# Altium PCB Booster_Main_Board.PcbDoc (part 10 of 11)
Units mil, origin at the board's own origin, x right, y up, seen from the top; angles counter-clockwise.
Board outline 15748.38 x 4626.33 mil, 4 copper layers (Component Side, Signal Layer 1, Power Plane, Solder Side), stack 63.149 mil thick; 999 components, 572 nets, 2902 pads, 1949 vias.
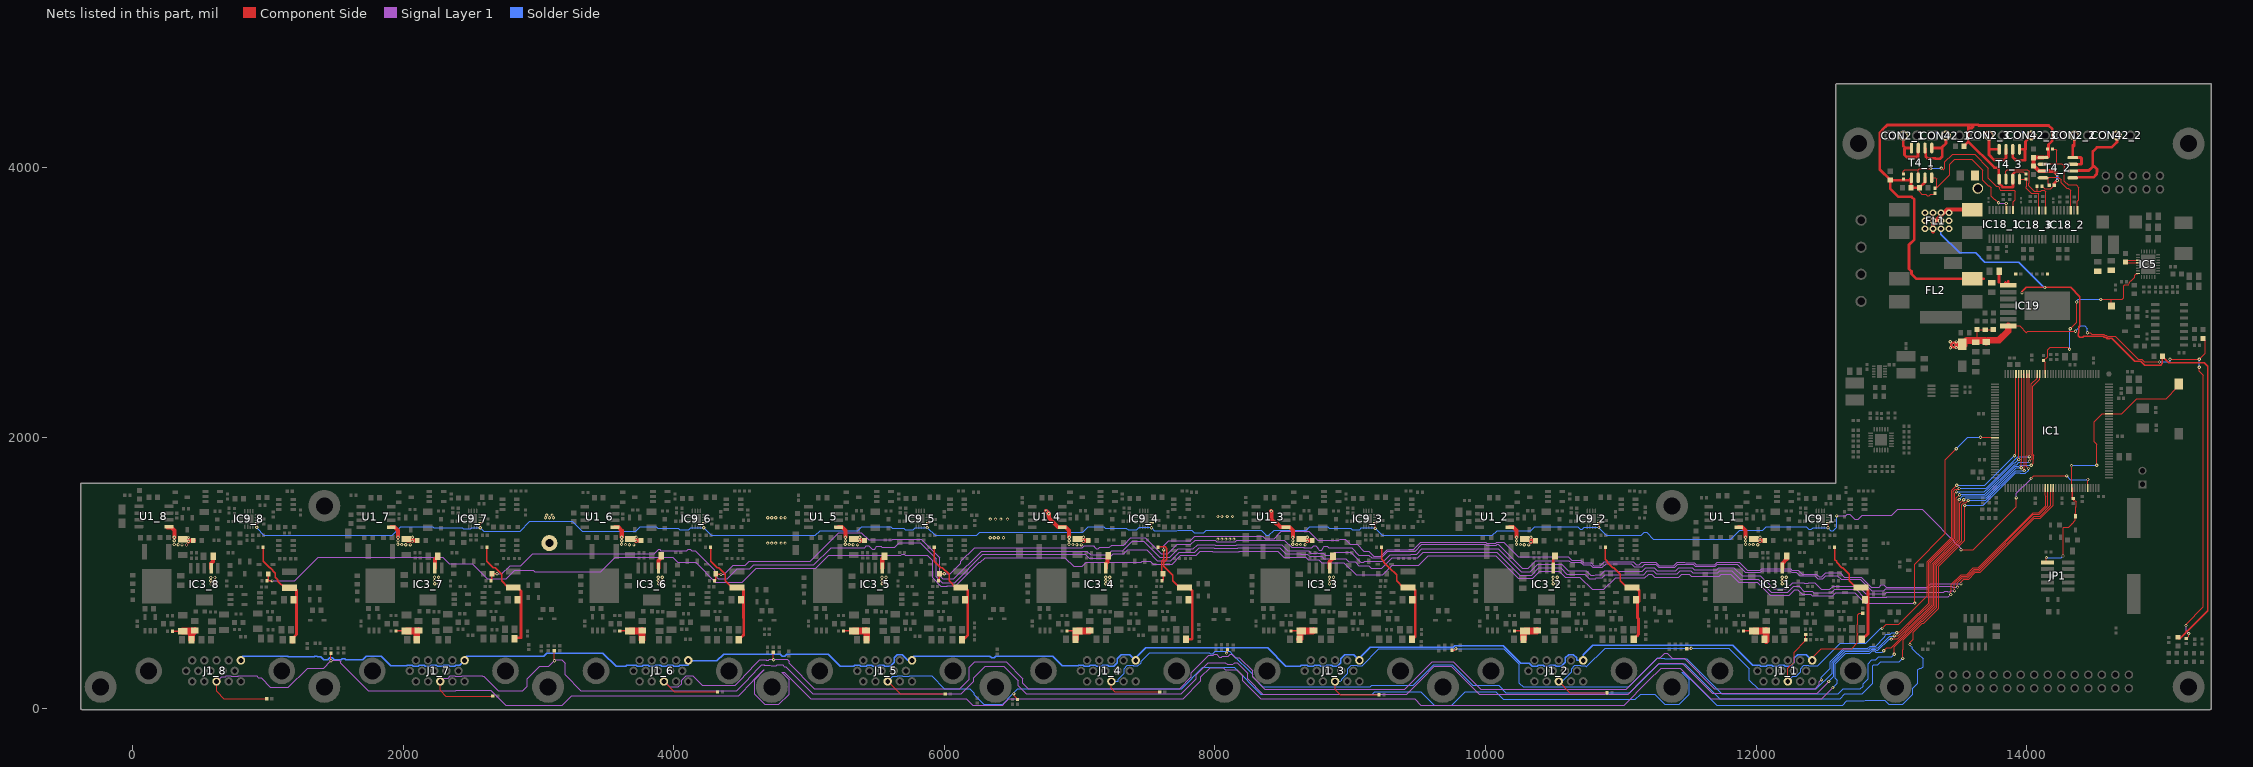
[diagram p12: the nets of this part, all layers, seen from the top]

## Via types
v1: diameter 23.62, hole 11.81, Component Side to Solder Side, tented both sides, 1910 vias
v2: diameter 50, hole 28, Component Side to Solder Side, tented both sides, 24 vias
v3: diameter 23.62, hole 11.81, Component Side to Solder Side, 10 vias
v4: diameter 47.24, hole 31.5, Component Side to Solder Side, 5 vias

## Nets (pads, with @x,y where several pads share a name; then routed paths per layer and width w, separated by ;. In a path a pad name is that pad's centre, name@x,y a point inside that pad or via, vN(x,y) a via of type N, cw(c..) or ccw(c..) an arc to the next point about the centre after c; other vN are vias at no path point) (continued)
P5V0MP_1: C34_1.2 F1_1.2 FB3_1.1 R58_1.1 | length 848.3
  Component Side w10: R58_1.1@12578.68,1190.14 12580.81,1188.01 12580.81,1097.55 12580.74,1097.48 12593.85,1084.37 12593.85,1077.88 12633.22,1038.5 12639.76,1038.5 12688.17,990.09 12688.17,941.14 F1_1.2@12738.37,890.94
  Component Side w20: F1_1.2@12738.37,890.94 12806.17,890.94 12826,871.12 12826,550 12786,510 FB3_1.1@12780.43,510
P5V0MP_2: C34_2.2 F1_2.2 FB3_2.1 R58_2.1 | length 822.7
  Component Side w10: R58_2.1@10885.76,1190.14 10885.76,1099.55 10900.94,1084.37 10900.94,1077.88 10940.31,1038.5 10946.76,1038.5 10995.26,990 10995.26,941.14 F1_2.2@11045.46,890.94
  Component Side w20: F1_2.2@11045.46,890.94 11113.26,890.94 11136,868.2 11136,791.92 11122.73,778.65 11122.73,668.9 11130.81,660.82 11130.81,545.31 11120.96,535.46 11117,535.46 FB3_2.1@11117,531.5
P5V0MP_3: C34_3.2 F1_3.2 FB3_3.1 R58_3.1 | length 832.6
  Component Side w10: R58_3.1@9232.22,1190.14 9232.22,1099.55 9247.39,1084.37 9247.39,1077.88 9286.77,1038.5 9288.76,1038.5 9341.72,985.54 9341.72,941.14 F1_3.2@9391.91,890.94
  Component Side w20: F1_3.2@9391.91,890.94 9459.72,890.94 9481,869.66 9481,530.57 FB3_3.1@9460.43,510
P5V0MP_4: C34_4.2 F1_4.2 FB3_4.1 R58_4.1 | length 927.7
  Component Side w10: R58_4.1@7578.68,1190.14 7578.68,1186.68 7584.81,1192.81 7631.45,1192.81 7644.81,1179.45 7644.81,1099.78 7622.78,1077.75 7622.78,1048.95 7688.17,983.55 7688.17,941.14 F1_4.2@7738.37,890.94
  Component Side w20: F1_4.2@7738.37,890.94 7806.17,890.94 7833,864.12 7833,515 7828,510 FB3_4.1@7785.43,510
P5V0MP_5: C34_5.2 F1_5.2 FB3_5.1 R58_5.1 | length 856.5
  Component Side w10: R58_5.1@5925.13,1190.14 5925.13,1087.39 5974.02,1038.5 5985.76,1038.5 6034.63,989.63 6034.63,941.14 F1_5.2@6084.83,890.94
  Component Side w20: F1_5.2@6084.83,890.94 6152.63,890.94 6173,870.57 6173,540 6138,505 FB3_5.1@6130.43,505
P5V0MP_6: C34_6.2 F1_6.2 FB3_6.1 R58_6.1 | length 848.1
  Component Side w10: R58_6.1@4271.59,1190.14 4271.59,1087.39 4320.48,1038.5 4331.76,1038.5 4381.09,989.17 4381.09,941.14 F1_6.2@4431.28,890.94
  Component Side w20: F1_6.2@4431.28,890.94 4499.09,890.94 4515,875.03 4515,666.63 4516,665.63 4516,633.33 4516.81,632.52 4516.81,609.48 4516.16,608.83 4516.16,544.83 4515,543.67 4515,539.57 FB3_6.1@4480.43,505
P5V0MP_7: C34_7.2 F1_7.2 FB3_7.1 R58_7.1 | length 877.5
  Component Side w10: R58_7.1@2618.05,1190.14 2618.05,1087.39 2666.94,1038.5 2679.76,1038.5 2727.54,990.72 2727.54,941.14 F1_7.2@2777.74,890.94
  Component Side w20: F1_7.2@2777.74,890.94 2845.54,890.94 2870,866.49 2870,520 2835.43,520 FB3_7.1@2820.43,505
P5V0MP_8: C34_8.2 F1_8.2 FB3_8.1 R58_8.1 | length 857.2
  Component Side w10: R58_8.1@964.5,1189 964.5,1086.25 1013.39,1037.36 1015.75,1037.36 1054.88,998.23 1054.88,969.29 1074,950.17 1074,940 F1_8.2@1124.2,889.8
  Component Side w20: F1_8.2@1124.2,889.8 1192,889.8 1211,870.8 1211,545.62 1182,516.62 FB3_8.1@1182,487
P6V5: C68.2 C69.2 C71.2 C72.2 C78_1.1 C78_2.1 C78_3.1 C78_4.1 C78_5.1 C78_6.1 C78_7.1 C78_8.1 D3.2 IC3_1.2 IC3_2.2 IC3_3.2 IC3_4.2 IC3_5.2 IC3_6.2 IC3_7.2 IC3_8.2 IC19.7 R30.2 R98.2 R109.1 | length 5350.3
  Component Side w6: C68.2@13632.87,2721.46 C71.2@13632.87,2798.03 13633.86,2797.05 R30.2@13693.9,2797.05 13750.98,2797.05 C72.2@13752.95,2799.02 ; IC19.7@13863.19,2825.2 13946.46,2825.2 13996.07,2775.59 14005.91,2785.43 14311.13,2785.43 14312.25,2784.31 14359.09,2784.31 v1(14360.21,2785.43) ; v1(14448.79,2775.59) 14468.5,2775.59 14481.8,2762.29 14570.48,2762.29 14577.99,2754.78 14588.42,2754.78 14600.43,2742.77 14602.52,2742.77 14607.43,2747.68 14653.89,2747.68 14822.37,2579.2 14848.31,2579.2 14868.46,2559.06 v1(14980.31,2559.06) ; v1(15059.02,2578.73) v1(15275.59,2578.73) 15320.65,2623.8 15320.65,2714.07 R98.2@15301.91,2732.8 ; v1(15177.17,610.24) 15177.17,620.08 15305.12,748.03 15305.12,2460.63 15275.59,2490.16 v1(15275.59,2519.69) ; R109.1@15178.35,513.84 15196.85,532.34 v1(15196.85,551.18)
  Component Side w19.68: IC3_2.2@10501.18,1035.67 10501.18,1112.75 C78_2.1@10513.43,1125
  Component Side w30: IC3_8.2@579.92,1034.53 579.92,1068.78 594.43,1083.29 C78_6.1@594.43,1124 ; IC3_7.2@2233.46,1035.67 2233.46,1103.03 C78_5.1@2254.43,1124 ; IC3_6.2@3887.01,1035.67 3887.01,1092.54 3908.43,1113.97 C78_4.1@3908.43,1126 ; IC3_5.2@5540.55,1035.67 5540.55,1102.12 C78_7.1@5562.43,1124 ; IC3_4.2@7194.09,1035.67 7194.09,1069.92 7205,1080.83 C78_8.1@7205,1119 ; IC3_3.2@8847.64,1035.67 8847.64,1082.17 C78_3.1@8866.61,1101.14 ; IC3_1.2@12194.09,1035.67 12194.09,1069.92 12225.31,1101.14 C78_1.1@12229.57,1101.14
  Component Side w50: v1(13458.66,2684.06) D3.2@13520.67,2684.06 ; D3.2@13538.39,2684.06 D3.2@13520.67,2684.06 ; C69.2@13714.07,2719.98 C69.2@13700.79,2706.69 13688.98,2718.5 13555.12,2718.5 D3.2@13520.67,2684.06 ; 13733.76,2719.98 13794.78,2719.98 13863.19,2788.39 IC19.7@13863.19,2825.2
  Signal Layer 1 w6: v1(15177.17,610.24) 15177.17,570.87 v1(15196.85,551.18)
  Solder Side w6: v1(14360.21,2785.43) 14400.71,2825.93 14427.91,2825.93 14448.79,2805.05 v1(14448.79,2775.59) ; v1(14980.31,2559.06) 15059.06,2559.06 ; 15059.02,2559.09 v1(15059.02,2578.73) ; v1(15275.59,2519.69) v1(15275.59,2578.73)
  other v1: 608,917 579,918 2261.54,918.14 3915.09,918.14 5568.63,918.14 7222.17,918.14 8875.72,918.14 10529.26,918.14 12222.17,918.14 2232.54,919.14 3886.09,919.14 5539.63,919.14 7193.17,919.14 8846.72,919.14 10500.26,919.14 12193.17,919.14 578,942 608,942 2231.54,943.14 2261.54,943.14 3885.09,943.14 3915.09,943.14 5538.63,943.14 5568.63,943.14 7192.17,943.14 7222.17,943.14 8845.72,943.14 8875.72,943.14 10499.26,943.14 10529.26,943.14 12192.17,943.14 12222.17,943.14 578,966 608,966 2231.54,967.14 2261.54,967.14 3885.09,967.14 3915.09,967.14 5538.63,967.14 5568.63,967.14 7192.17,967.14 7222.17,967.14 8845.72,967.14 8875.72,967.14 10499.26,967.14 10529.26,967.14 12192.17,967.14 12222.17,967.14 13436.02,2664.37 13478.35,2665.35 13479.33,2707.68 13435.04,2708.66
P12V0: C24.2 C25.2 C59.1 C64.2 C66.2 C109_1.2 C109_2.2 C109_3.2 C110_1.2 C110_2.2 C110_3.2 FL2.2 IC5.3 IC5.4 IC19.1 R26.2 R28.2 R149_1.2 R149_2.2 R149_3.2 R150_1.2 R150_2.2 R150_3.2 T4_1.1 T4_1.3 T4_2.1 T4_2.3 T4_3.1 T4_3.3 | length 5773.7
  Component Side w6: T4_1.1@13144.69,3917.32 T4_1.1@13147.64,3920.28 ; C110_1.2@13207.68,3847.44 13205.71,3845.47 13205.71,3819.29 13225.79,3799.21 13253.05,3799.21 13263.03,3789.23 13280.27,3789.23 13290.26,3799.21 13314.96,3799.21 13321.85,3806.1 R150_1.2@13321.85,3806.3 ; 13906.5,3955.71 13915.35,3964.57 13975.39,3964.57 13992.32,3947.64 R150_3.2@13994.09,3947.64 ; R149_3.2@14112.99,3858.27 14114.31,3858.27 14134,3838.58 14177.09,3838.58 R150_2.2@14203.5,3865 ; IC5.4@14822.06,3291.45 14736.11,3291.45 C59.1@14729.33,3298.23 14742.24,3311.13 IC5.3@14822.06,3311.13
  Component Side w20: T4_1.3@13247.64,3920.28 13247.64,3887.4 C110_1.2@13207.68,3847.44 13145.67,3847.44 C109_1.2@13144.69,3846.46 13144.69,3917.32 13128.94,3901.57 12994.09,3901.57 C109_3.2@12992.13,3903.54 ; C110_3.2@13535.43,4153.54 13567.08,4185.19 13567.08,4189.05 ; 13681.1,3173.23 FL2.2@13596.46,3173.23 13185.04,3173.23 13147.89,3210.38 13147.89,3229.07 13129.92,3247.03 13129.92,3425.2 13169.29,3464.57 13169.29,3759.84 13149.61,3779.53 13051.18,3779.53 12992.13,3838.58 C109_3.2@12992.13,3903.54 ; 13795.28,3147.83 C64.2@13795.28,3228.35 ; IC19.1@13817.91,3125.2 IC19.1@13863.19,3125.2 ; 13842.72,3145.67 IC19.1@13863.19,3125.2 ; 13863.19,3153.35 IC19.1@13863.19,3125.2 ; 13906.5,3955.71 13896.26,3945.47 T4_3.3@13896.26,3910.43 13898.62,3908.07 13898.62,3853.68 13895.33,3850.39 13822.83,3850.39 13819.34,3853.89 13819.34,3855.07 13796.26,3878.15 T4_3.1@13796.26,3910.43 13793.31,3907.48 13793.31,3982.28 13780.16,3995.43 13760.7,3995.43 13567.08,4189.05 ; T4_2.1@14135,4073.82 14160.43,4073.82 14160.43,4166.34 14188.85,4194.75 14188.85,4280.64 14162.4,4307.09 13645.67,4307.09 13640.02,4312.74 13586.61,4312.74 13602.36,4296.99 13591.85,4286.48 13576.46,4286.48 13567.08,4277.1 ; R150_2.2@14201.57,3876.97 14224.61,3900 v1(14225,3900) ; C109_3.2@12992.13,3903.54 12913.39,3982.28 12913.39,4251.97 12934.21,4272.79 12934.21,4276.12 12969.11,4311.02 13584.9,4311.02 13567.08,4293.21 13567.08,4277.1 ; 13567.08,4189.05 13567.08,4277.1
  Component Side w30: T4_2.1@14120,4070 14051.5,4070 C109_2.2@14050,4068.5 C110_2.2@14050,4006.5 14055.09,4006.5 14090.69,3970.9 14090.69,3970 T4_2.3@14120,3970 14200.28,3970 v1(14223.43,3946.85)
  Solder Side w20: v1(14223.43,3946.85) 14225,3945.28 v1(14225,3900)
P12V_1_1: CON2_1.2 T4_1.7 T4_1.8 | length 368.8
  Component Side w20: CON2_1.2@13087.61,4231.89 13087.61,4154.52 13101.85,4140.28 ; T4_1.8@13147.64,4140.28 13101.85,4140.28 ; T4_1.7@13197.64,4140.28 13196.85,4139.49 13196.85,4075.79 13194.88,4073.82 13112.2,4073.82 13096.46,4089.57 13096.46,4134.88 13101.85,4140.28
P12V_1_2: CON2_2.2 T4_2.7 T4_2.8 | length 387.8
  Component Side w20: T4_2.7@14310,4020 T4_2.7@14340,4020 14400,4020 14405,4025 14405,4065 14400,4070 T4_2.8@14340,4070 14340,4148.56 ; 14351.39,4159.95 14340,4148.56 ; CON2_2.2@14351.39,4232.88 14351.39,4170 14340,4158.61 14340,4148.56
P12V_1_3: CON2_3.2 T4_3.7 T4_3.8 | length 431.8
  Component Side w20: CON2_3.2@13720.48,4232.88 13720.48,4135.83 ; T4_3.8@13796.26,4130.43 13725.88,4130.43 13720.48,4135.83 ; T4_3.7@13846.26,4130.43 13846.26,4066.73 13831.69,4052.17 13758.86,4052.17 13720.48,4090.54 13720.48,4135.83
P12V_2_1: CON42_1.2 T4_1.5 T4_1.6 | length 443.5
  Component Side w20: T4_1.6@13247.64,4140.28 13254.24,4133.68 13254.24,4077.46 13267.72,4063.98 13322.83,4063.98 13325.79,4061.02 13358.27,4061.02 13375.51,4078.27 13375.51,4140.28 ; T4_1.5@13297.64,4140.28 13375.51,4140.28 ; CON42_1.2@13402.57,4231.89 13402.57,4174.76 13375.51,4147.7 13375.51,4140.28
P12V_2_2: CON42_2.2 T4_2.5 T4_2.6 | length 708.5
  Component Side w20: 14380.43,3923.82 14492.72,3923.82 14517.22,3948.33 14517.22,3964.09 14518.7,3965.57 14518.7,3984.25 14499.02,4003.94 14488.19,4003.94 ; 14380.43,3973.82 14458.07,3973.82 14488.19,4003.94 ; CON42_2.2@14666.35,4232.88 14666.35,4184.07 14627.95,4145.67 14519.69,4145.67 14488.19,4114.17 14488.19,4003.94
P12V_2_3: CON42_3.2 T4_3.5 T4_3.6 | length 405.3
  Component Side w20: T4_3.6@13896.26,4130.43 13896.26,4075.2 13922.24,4049.21 13987.2,4049.21 13987.2,4127.2 13990.43,4130.43 ; T4_3.5@13946.26,4130.43 13990.43,4130.43 ; 13990.43,4129.92 13990.43,4130.43 ; CON42_3.2@14035.45,4232.88 13990.43,4187.87 13990.43,4130.43
P29V0_CH_1: C37_1.2 FB4_1.2 R37_1.1 R43_1.2 | length 243.5
  Component Side w10: R43_1.2@11907.68,570 11908.62,570.94 R37_1.1@11984.17,570.94
  Component Side w50: R37_1.1@11984.17,570.94 12070.55,570.94 C37_1.2@12074.17,574.57 12075.43,573.31 FB4_1.2@12075.43,500
P29V0_CH_2: C37_2.2 FB4_2.2 R37_2.1 R43_2.2 | length 233.8
  Component Side w10: R43_2.2@10214.76,570 10215.71,570.94 R37_2.1@10291.26,570.94
  Component Side w50: FB4_2.2@10280.43,510 10280.43,560.12 R37_2.1@10291.26,570.94 10377.64,570.94 C37_2.2@10381.26,574.57
P29V0_CH_3: C37_3.2 FB4_3.2 R37_3.1 R43_3.2 | length 231.2
  Component Side w10: R43_3.2@8561.22,570 8562.17,570.94 8630,570.94 R37_3.1@8637.72,570.94
  Component Side w50: FB4_3.2@8625.43,510 8630,514.57 R37_3.1@8630,570.94 ; R37_3.1@8637.72,570.94 8724.09,570.94 C37_3.2@8727.72,574.57
P29V0_CH_4: C37_4.2 FB4_4.2 R37_4.1 R43_4.2 | length 235
  Component Side w10: R43_4.2@6907.68,570 6908.62,570.94 R37_4.1@6984.17,570.94
  Component Side w50: FB4_4.2@6970.43,510 6970.43,557.2 R37_4.1@6984.17,570.94 7070.55,570.94 C37_4.2@7074.17,574.57
P29V0_CH_5: C37_5.2 FB4_5.2 R37_5.1 R43_5.2 | length 237.8
  Component Side w10: R43_5.2@5254.13,570 5255.08,570.94 R37_5.1@5330.63,570.94
  Component Side w50: R37_5.1@5330.63,570.94 C37_5.2@5417.01,570.94 ; C37_5.2@5420.63,574.57 C37_5.2@5417.01,570.94 ; FB4_5.2@5425.43,505 5425.43,562.52 C37_5.2@5417.01,570.94
P29V0_CH_6: C37_6.2 FB4_6.2 R37_6.1 R43_6.2 | length 235.1
  Component Side w10: R43_6.2@3600.59,570 3601.54,570.94 R37_6.1@3677.09,570.94
  Component Side w50: R37_6.1@3677.09,570.94 C37_6.2@3763.46,570.94 ; FB4_6.2@3765.43,505 3765.43,568.98 C37_6.2@3763.46,570.94 ; C37_6.2@3767.09,574.57 C37_6.2@3763.46,570.94
P29V0_CH_7: C37_7.2 FB4_7.2 R37_7.1 R43_7.2 | length 238.3
  Component Side w10: R43_7.2@1947.05,570 1947.99,570.94 R37_7.1@2023.54,570.94
  Component Side w50: R37_7.1@2023.54,570.94 C37_7.2@2109.92,570.94 ; FB4_7.2@2100.43,505 2100.43,561.46 C37_7.2@2109.92,570.94 ; C37_7.2@2113.54,574.57 C37_7.2@2109.92,570.94
P29V0_CH_8: C37_8.2 FB4_8.2 R37_8.1 R43_8.2 | length 241.9
  Component Side w10: R43_8.2@293.5,568.86 294.45,569.8 R37_8.1@370,569.8
  Component Side w50: R37_8.1@370,569.8 C37_8.2@456.38,569.8 ; FB4_8.2@435.43,505 435.43,548.86 C37_8.2@456.38,569.8 ; C37_8.2@460,573.43 C37_8.2@456.38,569.8
P30V0: C32_1.2 C32_2.2 C32_3.2 C32_4.2 C32_5.2 C32_6.2 C32_7.2 C32_8.2 C63.2 FL1.2 pad.9 pad.12 R17_1.2 R17_2.2 R17_3.2 R17_4.2 R17_5.2 R17_6.2 R17_7.2 R17_8.2 R96.2 R110.2 U1_1.1 U1_2.1 U1_3.1 U1_4.1 U1_5.1 U1_6.1 U1_7.1 U1_8.1 | length 7049.6
  Component Side w10: v1(13964.87,3069.49) 13964.87,3079.04 13996.06,3110.24 v1(14133.86,3110.24) 14323.6,3110.24 14392.89,3040.94 14392.89,2827.95 14383.02,2818.08 14383.02,2775.98 14379.5,2772.46 14379.5,2753.56 14392.86,2740.2 14412.93,2740.2 14421.02,2748.29 14564.69,2748.29 14572.2,2740.78 14582.62,2740.78 14594.63,2728.77 14608.71,2728.77 14613.62,2733.68 14628.52,2733.68 14797,2565.2 14842.51,2565.2 14871.47,2536.24 14989.76,2536.24 15003.13,2549.61 R96.2@15003.13,2601.2 ; R96.2@15002.95,2601.38 R96.2@15003.13,2601.2 ; R110.2@15119.27,514.99 15131.15,514.99 15174.04,557.88 15174.04,560.63 15187.4,573.99 15190.15,573.99 15337.77,721.61 15337.77,2529.13 15313.76,2553.15 15051.18,2553.15 R96.2@15003.13,2601.2
  Component Side w30: U1_8.1@257.28,1337.48 282.52,1337.48 308,1312 v1(308,1263) ; v1(414,1234) 420,1240 R17_8.2@448.5,1240 R17_8.2@453.5,1240 ; U1_7.1@1910.83,1338.62 1936.06,1338.62 1961.54,1313.14 v1(1961.54,1264.14) ; C32_7.2@2023.03,1250.24 2033.27,1240 R17_7.2@2103.5,1240 ; U1_6.1@3564.37,1338.62 3589.61,1338.62 3615.09,1313.14 v1(3615.09,1264.14) ; v1(3721.09,1235.14) 3725.94,1240 R17_6.2@3758.5,1240 ; U1_5.1@5217.91,1338.62 5243.15,1338.62 5268.63,1313.14 v1(5268.63,1264.14) ; v1(5374.63,1235.14) 5379.49,1240 R17_5.2@5408.5,1240 R17_5.2@5413.5,1240 ; v1(6751.96,1456.69) v1(6771.65,1437.01) 6770.88,1437.01 6770.88,1425.03 6771.65,1424.26 6771.65,1407.48 6840.51,1338.62 U1_4.1@6871.46,1338.62 6896.69,1338.62 6922.17,1313.14 v1(6922.17,1264.14) ; v1(7028.17,1235.14) 7033.03,1240 R17_4.2@7063.5,1240 ; v1(8415.35,1456.69) 8418.64,1453.41 8418.64,1396.4 8450.41,1364.62 8458.21,1364.62 8484.25,1338.58 8484.29,1338.62 U1_3.1@8525,1338.62 8550.24,1338.62 8575.72,1313.14 v1(8575.72,1264.14) ; v1(8681.72,1235.14) 8686.57,1240 R17_3.2@8718.5,1240 ; U1_2.1@10178.54,1338.62 10203.78,1338.62 10229.26,1313.14 v1(10229.26,1264.14) ; v1(10336.02,1229) 10336.02,1235.91 10339.12,1239 R17_2.2@10370.5,1239 ; U1_1.1@11871.46,1338.62 11896.69,1338.62 11922.17,1313.14 v1(11922.17,1264.14) ; v1(12028.17,1235.14) 12033.03,1240 R17_1.2@12063.5,1240 ; v2@13307.09,3523.62 v2(13307.09,3543.31) 13307.09,3582.68 13409.45,3685.04 FL1.2@13596.46,3685.04
  Solder Side w10: v2(13366.14,3543.31) 13366.14,3503.94 13503.94,3366.14 13622.05,3366.14 13690.94,3297.24 13939.71,3297.24 14005.48,3231.47 v1@14126.75,3110.24 ; v1@14130.3,3106.68 v1@14126.75,3110.24 ; v1(14133.86,3110.24) v1@14126.75,3110.24
  Solder Side w30: v1(6751.96,1456.69) v1(6771.65,1437.01)
  other v1: 398,1206 365,1207 2051.54,1207.14 3705.09,1207.14 5358.63,1207.14 7012.17,1207.14 10319.26,1207.14 336,1208 2018.54,1208.14 3672.09,1208.14 5325.63,1208.14 6979.17,1208.14 8666,1208 10286.26,1208.14 12012,1208 1989.54,1209.14 3643.09,1209.14 5296.63,1209.14 6950.17,1209.14 8603.72,1209.14 8633,1209 10257.26,1209.14 11950.17,1209.14 11979,1209 307,1210 1960.54,1211.14 3614.09,1211.14 5267.63,1211.14 6921.17,1211.14 8574.72,1211.14 10228.26,1211.14 11921.17,1211.14 4694.88,1220.47 4724.41,1220.47 4753.94,1220.47 4793.31,1220.47 4822.83,1220.47 2067.54,1235.14 308,1237 1961.54,1238.14 3615.09,1238.14 5268.63,1238.14 6922.17,1238.14 8575.72,1238.14 10229.26,1238.14 11922.17,1238.14 8021.65,1250 8051.18,1250 8080.71,1250 8110.24,1250 8139.76,1250 6338.58,1259.84 6368.11,1259.84 6397.64,1259.84 6437.01,1259.84 414,1262 2067.54,1263.14 3721.09,1263.14 5374.63,1263.14 7028.17,1263.14 8681.72,1263.14 10335.26,1263.14 12028.17,1263.14 6338.58,1397.64 6377.95,1397.64 6417.32,1397.64 6466.54,1397.64 3051.18,1407.48 3080.71,1407.48 3110.24,1407.48 4694.88,1407.48 4724.41,1407.48 4753.94,1407.48 4793.31,1407.48 4822.83,1407.48 8021.65,1417.32 8051.18,1417.32 8090.55,1417.32 8129.92,1417.32 3061.02,1427.17 3100.39,1427.17
  other v2: 13248.03,3543.31 13425.2,3543.31 13248.03,3602.36 13307.09,3602.36 13366.14,3602.36 13425.2,3602.36 13248.03,3661.42 13307.09,3661.42 13366.14,3661.42 13425.2,3661.42
PA_CH_RESETN: IC1.140 IC9_1.1 IC9_2.1 IC9_3.1 IC9_4.1 IC9_5.1 IC9_6.1 IC9_7.1 IC9_8.1 | length 15028.3
  Component Side w6: v1(917,1337) 918,1337 918.07,1337.07 IC9_8.1@918.07,1369.33 ; v1(2570,1334) 2572,1336 2572,1370.09 IC9_7.1@2571.61,1370.47 ; v1(4221,1333) 4221,1366.31 IC9_6.1@4225.16,1370.47 ; v1(5874,1335) 5874,1365.77 IC9_5.1@5878.7,1370.47 ; v1(7531,1333) 7531,1369.23 IC9_4.1@7532.24,1370.47 ; v1(9184,1329) 9185,1330 9185,1369.69 IC9_3.1@9185.79,1370.47 ; v1(10838,1336) 10839.33,1337.33 IC9_2.1@10839.33,1370.47 ; v1(12531.2,1334.32) 12531.2,1369.03 12531,1369.23 IC9_1.1@12532.24,1370.47 ; v1(13513.78,1171.26) 13603.69,1171.26 13921,1488.57 13921,1553 v1(13922,1554) ; v1(14032,1697) 14052,1717 v1(14295,1717) ; IC1.140@14451.75,1627.74 v1(14451.75,1690)
  Signal Layer 1 w6: v1(12596,1421) 12660.6,1421 12674.55,1434.95 12691.79,1434.95 12730.23,1396.51 12754.68,1396.51 12785.17,1427 13003,1427 13045,1469 13225.88,1469 13513.78,1181.1 v1(13513.78,1171.26) ; v1(13922,1554) 13922,1587 v1(14032,1697)
  Solder Side w6: v1(917,1337) 917,1332.21 970.82,1278.4 1918.4,1278.4 1981.95,1341.95 2217.79,1341.95 2225.74,1334 2435.57,1334 2444.38,1325.19 2461.62,1325.19 2462.38,1325.95 2498.95,1325.95 2506.9,1333.9 v1@2570,1333.9 ; v1(2570,1334) v1@2570,1333.9 ; v1(10838,1336) v1@10838,1333.62 ; v1(12596,1421) 12596,1338.89 12569.44,1312.33 12552.2,1312.33 12531.2,1333.33 v1(12531.2,1334.32) 12530.71,1334.81 12421.24,1334.81 12407.62,1321.19 12390.38,1321.19 12378.19,1333.38 12378.19,1335.38 12371.62,1341.95 12075.95,1341.95 12050.19,1316.19 11877.21,1316.19 11811.02,1250 11240.04,1250 11189.7,1300.34 11172.46,1300.34 11150.53,1278.4 10893.21,1278.4 v1@10838,1333.62 ; v1(14295,1717) 14322,1690 v1(14451.75,1690) ; v1@2570,1333.9 2594.71,1309.19 2864.19,1309.19 2937.11,1382.11 3249.81,1382.11 3322.73,1309.19 3720.19,1309.19 3752.95,1341.95 3871.33,1341.95 3882.29,1331 4034,1331 4045.81,1319.19 4112.19,1319.19 4126,1333 v1(4221,1333) 4275.6,1278.4 5046.83,1278.4 5080.76,1312.33 5361.33,1312.33 5390.95,1341.95 5602.11,1341.95 5613.11,1330.95 5699.05,1330.95 5711,1319 5770,1319 5786,1335 v1(5874,1335) 5930.6,1278.4 6238.94,1278.4 6262.72,1302.19 7023.19,1302.19 7062.95,1341.95 7178.42,1341.95 7189.42,1330.95 7345.05,1330.95 7358.81,1317.19 7422.19,1317.19 7441.81,1336.81 7527.19,1336.81 v1(7531,1333) 7551.67,1312.33 7719.27,1312.33 7723.75,1316.81 7826.97,1316.81 7845.69,1298.08 7917.52,1298.08 7936.24,1316.81 8341.72,1316.81 8380.38,1278.15 8397.62,1278.15 8436.28,1316.81 8675.81,1316.81 8700.95,1341.95 8831.96,1341.95 8842.96,1330.95 9004.05,1330.95 9015.81,1319.19 9068.62,1319.19 9082.24,1332.81 9180.19,1332.81 v1(9184,1329) 9235.39,1277.61 10050.62,1277.61 10085.34,1312.33 10333.33,1312.33 10362.95,1341.95 10679.62,1341.95 10698.38,1323.19 10715.62,1323.19 10728.24,1335.81 10835.81,1335.81 v1@10838,1333.62
PA_SIG_GND: J1_1.15 J1_2.15 J1_3.15 J1_4.15 J1_5.15 J1_6.15 J1_7.15 J1_8.15 R83.2 | length 13423.1
  Component Side w6: J1_1.15@12394.88,353.54 12481.34,440 12705,440 12748.8,483.8 12748.8,542.27 12750.19,543.66 12750.19,551.34 12748.8,552.73 12748.8,617.27 12750.19,618.66 12750.19,690.19 12761.5,701.5 R83.2@12788,701.5
  Solder Side w10: J1_8.15@780.71,352.4 813.32,385.02 1147.49,385.02 1151.51,381 1343.74,381 1345.55,382.81 1364.45,382.81 1366.26,381 1391.61,381 1413.55,359.06 1442.8,359.06 1456.55,372.81 1475.45,372.81 1489.2,359.06 1543.8,359.06 1549.55,364.81 1568.45,364.81 1574.2,359.06 1700.5,359.06 1726.45,385.02 1836.43,385.02 1909.45,312 2025.01,312 2031.1,318.09 2066.3,318.09 2073.34,311.05 2111.22,311.05 2118.26,318.09 2156.3,318.09 2163.34,311.05 2201.22,311.05 2208.26,318.09 2246.3,318.09 2253.34,311.05 2291.22,311.05 2298.26,318.09 2336.3,318.09 2343.34,311.05 2381.22,311.05 2388.26,318.09 2418.17,318.09 J1_7.15@2453.62,353.54 ; 2465.73,385.02 3038.74,385.02 3061.55,407.83 3476.05,407.83 3572.83,311.05 3645.67,311.05 3652.71,318.09 3722.52,318.09 3729.56,311.05 3767.6,311.05 3774.64,318.09 3812.52,318.09 3819.56,311.05 3857.6,311.05 3864.64,318.09 3902.52,318.09 3909.56,311.05 3947.6,311.05 3954.64,318.09 3992.52,318.09 3999.56,311.05 4037.6,311.05 4044.64,318.09 4107.17,318.09 J1_6.15@4107.17,353.54 4111.52,349.19 4318.19,349.19 4367.81,398.81 4787.93,398.81 4801.55,385.19 4820.45,385.19 4834.07,398.81 5142.19,398.81 5229.95,311.05 5331.14,311.05 5338.18,318.09 5373.39,318.09 5380.43,311.05 5421.14,311.05 5428.18,318.09 5463.39,318.09 5470.43,311.05 5511.14,311.05 5518.18,318.09 5553.39,318.09 5560.43,311.05 5598.31,311.05 5628.21,340.95 5628.21,371.15 5653.11,396.04 5688.31,396.04 5730.81,353.54 5741.34,353.54 5772.81,385.02 6335.72,385.02 6348.55,372.19 6367.45,372.19 6380.28,385.02 6800.02,385.02 6870.04,315 6988.64,315 6991.73,318.09 7026.93,318.09 7033.97,311.05 7071.85,311.05 7078.89,318.09 7116.93,318.09 7123.97,311.05 7161.85,311.05 7168.89,318.09 7206.93,318.09 7213.97,311.05 7251.85,311.05 7276.75,335.94 7276.75,366.14 7306.65,396.04 7371.76,396.04 J1_4.15@7404.57,363.23 ; J1_4.15@7414.25,353.54 J1_4.15@7404.57,363.23 ; J1_3.15@9067.8,353.54 J1_3.15@9058.11,363.23 ; J1_1.15@12414.25,353.54 12371.76,396.04 12306.65,396.04 12281.76,371.15 12281.76,338.11 12254.69,311.05 12213.97,311.05 12206.93,318.09 12171.73,318.09 12164.69,311.05 12123.97,311.05 12116.93,318.09 12081.73,318.09 12074.69,311.05 12033.97,311.05 12026.93,318.09 11975.91,318.09 11828.38,465.62 10792.39,465.62 10721.34,394.57 J1_2.15@10721.34,353.54 10673.83,353.54 10673.83,371.15 10648.94,396.04 10613.74,396.04 10588.84,371.15 10588.84,340.95 10558.94,311.05 10523.74,311.05 10516.7,318.09 10478.81,318.09 10471.77,311.05 10433.74,311.05 10426.7,318.09 10388.81,318.09 10381.77,311.05 10343.74,311.05 10321.05,333.73 10259.07,333.73 10130.99,461.81 9771.55,461.81 9761.55,451.81 9146.69,451.81 J1_3.15@9058.11,363.23 ; J1_4.15@7404.57,363.23 7487.15,445.81 8388.86,445.81 8523.62,311.05 8628.94,311.05 8635.98,318.09 8683.15,318.09 8690.19,311.05 8728.23,311.05 8735.27,318.09 8773.15,318.09 8780.19,311.05 8818.23,311.05 8825.27,318.09 8863.15,318.09 8870.19,311.05 8905.4,311.05 8930.29,335.94 8930.29,366.14 8960.19,396.04 9025.3,396.04 J1_3.15@9058.11,363.23